# KiCad board xt_pcb.kicad_pcb
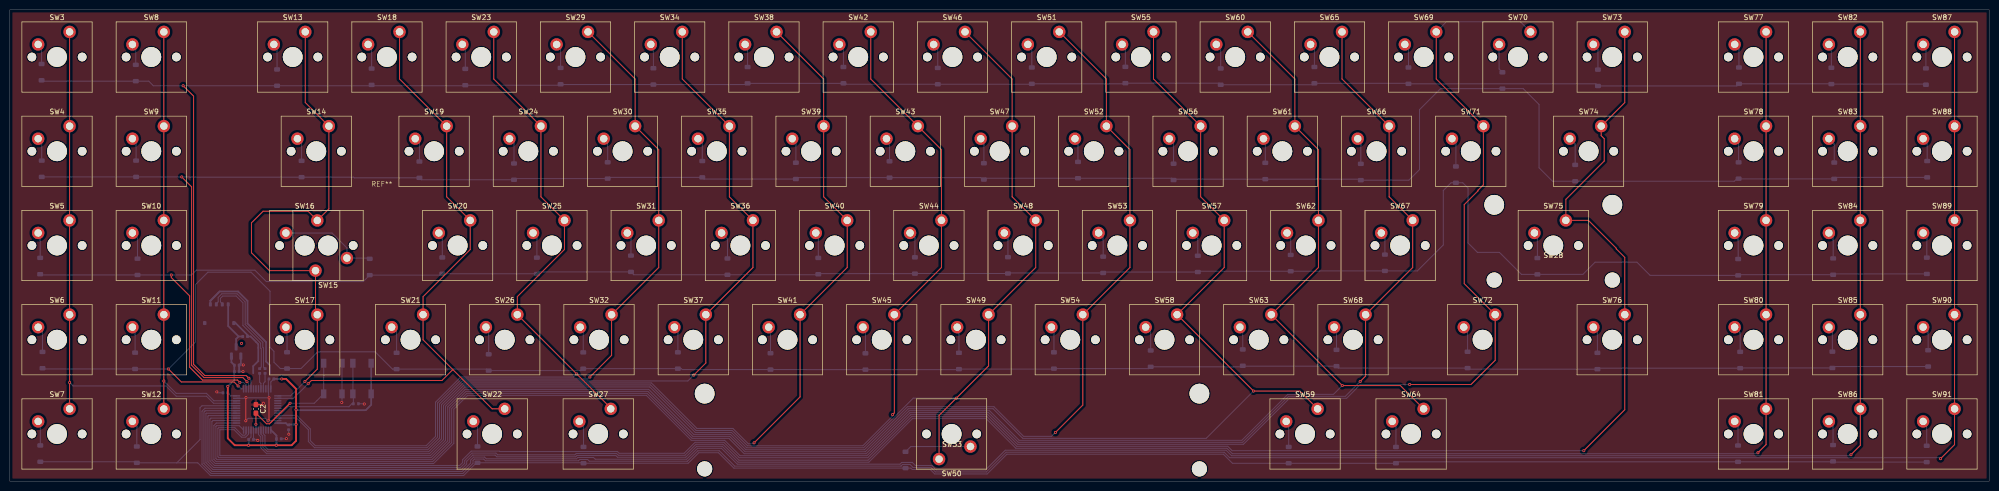
[diagram p0: board, top side]
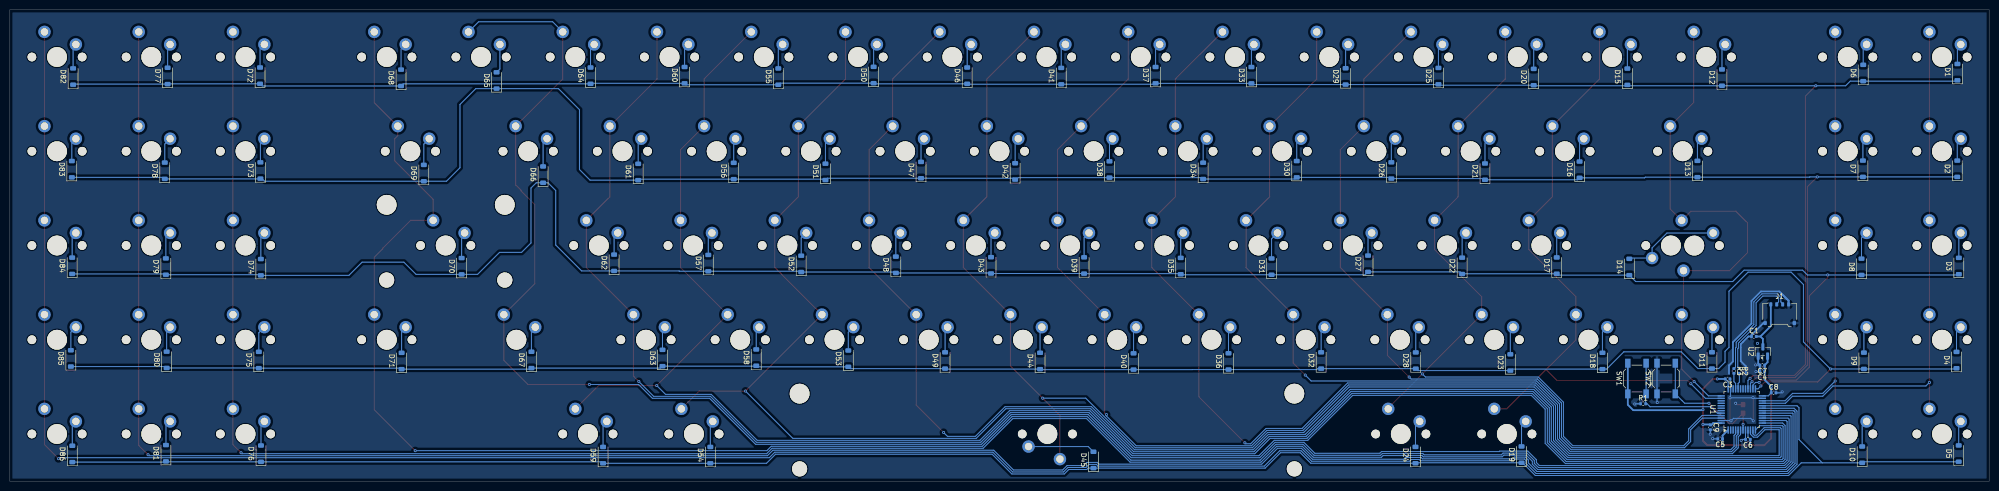
[diagram p1: board, bottom side, seen from below]

Outline 400.05 x 95.25 mm; copper layers: Top, Bottom. Coordinates in mm from the lower left corner of the outline.
Outline path: 0,95.25 400.05,95.25 400.05,0 0,0 0,95.25
Stack: Top 0.035mm / dielectric 1.51mm FR4 er 4.5 / Bottom 0.035mm

## Placement (name value [footprint] x y rotation side)
C1  1uF  [C_0402_1005Metric]  47.55 29.24 180 bottom
C2  100nF  [C_0603_1608Metric_Pad1.08x0.95mm_HandSolder]  49.73 14.6 270 top
C3  1uF  [C_0402_1005Metric]  52.86 20.65 0 bottom
C4  4.7uF  [C_0402_1005Metric]  45.85 22.14 0 bottom
C5  100nF  [C_0402_1005Metric]  54.36 8.55 0 bottom
C6  100nF  [C_0402_1005Metric]  48.75 8.44 0 bottom
C7  100nF  [C_0402_1005Metric]  45.85 23.44 0 bottom
C8  100nF  [C_0402_1005Metric]  43.56 17.85 180 bottom
C9  100nF  [C_0402_1005Metric]  56.34 10.87 270 bottom
D1  D  [D_SOD-123]  6.41 82.67 90 bottom
D2  D  [D_SOD-123]  6.44 63.14 90 bottom
D3  D  [D_SOD-123]  6.12 43.47 90 bottom
D4  D  [D_SOD-123]  6.59 24.47 90 bottom
D5  D  [D_SOD-123]  6.15 5.56 90 bottom
D6  D  [D_SOD-123]  25.45 82.5 90 bottom
D7  D  [D_SOD-123]  25.51 63.14 90 bottom
D8  D  [D_SOD-123]  25.8 43.31 90 bottom
D9  D  [D_SOD-123]  25.31 24.32 90 bottom
D10  D  [D_SOD-123]  25.66 5.35 90 bottom
D11  D  [D_SOD-123]  56.02 24.4 90 bottom
D12  D  [D_SOD-123]  54 81.57 90 bottom
D13  D  [D_SOD-123]  58.96 63.09 90 bottom
D14  D  [D_SOD-123]  72.73 43.28 90 bottom
D15  D  [D_SOD-123]  73.12 81.74 90 bottom
D16  D  [D_SOD-123]  82.78 62.95 90 bottom
D17  D  [D_SOD-123]  87.4 43.56 90 bottom
D18  D  [D_SOD-123]  78.16 24.28 90 bottom
D19  D  [D_SOD-123]  94.51 5.36 90 bottom
D20  D  [D_SOD-123]  92.05 81.68 90 bottom
D21  D  [D_SOD-123]  101.9 62.56 90 bottom
D22  D  [D_SOD-123]  106.52 43.52 90 bottom
D23  D  [D_SOD-123]  96.78 23.99 90 bottom
D24  D  [D_SOD-123]  115.95 5.27 90 bottom
D25  D  [D_SOD-123]  111.31 81.87 90 bottom
D26  D  [D_SOD-123]  120.83 62.8 90 bottom
D27  D  [D_SOD-123]  125.54 43.94 90 bottom
D28  D  [D_SOD-123]  115.89 24.37 90 bottom
D29  D  [D_SOD-123]  130.07 81.81 90 bottom
D30  D  [D_SOD-123]  139.95 63.05 90 bottom
D31  D  [D_SOD-123]  145.04 43.36 90 bottom
D32  D  [D_SOD-123]  135.02 24.39 90 bottom
D33  D  [D_SOD-123]  149.11 82.05 90 bottom
D34  D  [D_SOD-123]  158.87 62.71 90 bottom
D35  D  [D_SOD-123]  163.4 43.47 90 bottom
D36  D  [D_SOD-123]  153.74 24.19 90 bottom
D37  D  [D_SOD-123]  168.48 82.06 90 bottom
D38  D  [D_SOD-123]  177.8 63 90 bottom
D39  D  [D_SOD-123]  182.93 43.59 90 bottom
D40  D  [D_SOD-123]  172.93 24.19 90 bottom
D41  D  [D_SOD-123]  187.55 81.87 90 bottom
D42  D  [D_SOD-123]  196.87 62.61 90 bottom
D43  D  [D_SOD-123]  201.74 43.62 90 bottom
D44  D  [D_SOD-123]  191.83 24.28 90 bottom
D45  D  [D_SOD-123]  181.03 4.28 90 bottom
D46  D  [D_SOD-123]  206.56 81.96 90 bottom
D47  D  [D_SOD-123]  215.89 62.88 90 bottom
D48  D  [D_SOD-123]  220.98 43.72 90 bottom
D49  D  [D_SOD-123]  211.03 24.39 90 bottom
D50  D  [D_SOD-123]  225.47 82.09 90 bottom
D51  D  [D_SOD-123]  235.21 62.51 90 bottom
D52  D  [D_SOD-123]  240.11 43.91 90 bottom
D53  D  [D_SOD-123]  230.59 24.75 90 bottom
D54  D  [D_SOD-123]  258.48 5.25 90 bottom
D55  D  [D_SOD-123]  244.74 81.77 90 bottom
D56  D  [D_SOD-123]  253.75 62.69 90 bottom
D57  D  [D_SOD-123]  258.89 44.07 90 bottom
D58  D  [D_SOD-123]  249.2 24.97 90 bottom
D59  D  [D_SOD-123]  280.16 5.25 90 bottom
D60  D  [D_SOD-123]  263.68 82.06 90 bottom
D61  D  [D_SOD-123]  273.06 62.49 90 bottom
D62  D  [D_SOD-123]  277.93 44.14 90 bottom
D63  D  [D_SOD-123]  268.15 24.89 90 bottom
D64  D  [D_SOD-123]  282.69 81.96 90 bottom
D65  D  [D_SOD-123]  301.68 80.99 90 bottom
D66  D  [D_SOD-123]  292.28 61.96 90 bottom
D67  D  [D_SOD-123]  294.64 24.5 90 bottom
D68  D  [D_SOD-123]  320.99 81.53 90 bottom
D69  D  [D_SOD-123]  316.39 62.27 90 bottom
D70  D  [D_SOD-123]  308.75 43.44 90 bottom
D71  D  [D_SOD-123]  320.88 24.28 90 bottom
D72  D  [D_SOD-123]  349.49 81.96 90 bottom
D73  D  [D_SOD-123]  349.42 62.79 90 bottom
D74  D  [D_SOD-123]  349.33 43.24 90 bottom
D75  D  [D_SOD-123]  349.74 24.48 90 bottom
D76  D  [D_SOD-123]  349.3 5.55 90 bottom
D77  D  [D_SOD-123]  368.17 81.91 90 bottom
D78  D  [D_SOD-123]  368.75 62.74 90 bottom
D79  D  [D_SOD-123]  368.53 43.37 90 bottom
D80  D  [D_SOD-123]  368.37 24.52 90 bottom
D81  D  [D_SOD-123]  368.51 5.64 90 bottom
D82  D  [D_SOD-123]  387.28 81.78 90 bottom
D83  D  [D_SOD-123]  387.54 63.05 90 bottom
D84  D  [D_SOD-123]  387.47 43.53 90 bottom
D85  D  [D_SOD-123]  387.73 24.81 90 bottom
D86  D  [D_SOD-123]  387.44 5.5 90 bottom
J1  JST  [Molex_Pico-EZmate_78171-0004_1x04-1MP_P1.20mm_Vertical]  42.33 33.84 180 bottom
R1  10k  [R_0402_1005Metric]  69.94 15.64 180 bottom
R2  22Ω  [C_0402_1005Metric]  50.48 22.25 270 bottom
R3  22Ω  [C_0402_1005Metric]  51.58 22.27 270 bottom
REF**  -  [Untitled]  75.18 59.54 0 top
SW1  RST  [SW_SPST_SKQG_WithoutStem]  71.18 20.74 90 bottom
SW2  RST  [SW_SPST_SKQG_WithoutStem]  65.28 20.74 90 bottom
SW3  SW_Push  [SW_Cherry_MX_PCB_1.00u]  9.52 85.73 0 top
SW4  SW_Push  [SW_Cherry_MX_PCB_1.00u]  9.52 66.68 0 top
SW5  SW_Push  [SW_Cherry_MX_PCB_1.00u]  9.52 47.62 0 top
SW6  SW_Push  [SW_Cherry_MX_PCB_1.00u]  9.52 28.58 0 top
SW7  SW_Push  [SW_Cherry_MX_PCB_1.00u]  9.52 9.53 0 top
SW8  SW_Push  [SW_Cherry_MX_PCB_1.00u]  28.58 85.73 0 top
SW9  SW_Push  [SW_Cherry_MX_PCB_1.00u]  28.58 66.68 0 top
SW10  SW_Push  [SW_Cherry_MX_PCB_1.00u]  28.58 47.62 0 top
SW11  SW_Push  [SW_Cherry_MX_PCB_1.00u]  28.58 28.58 0 top
SW12  SW_Push  [SW_Cherry_MX_PCB_1.00u]  28.58 9.53 0 top
SW13  SW_Push  [SW_Cherry_MX_PCB_1.00u]  57.16 85.73 0 top
SW14  SW_Push  [SW_Cherry_MX_PCB_1.50u]  61.93 66.68 0 top
SW15  SW_Push  [SW_Cherry_MX_PCB_1.75u]  64.31 47.62 180 top
SW16  SW_Push  [SW_Cherry_MX_PCB_1.25u]  59.59 47.61 0 top
SW17  SW_Push  [SW_Cherry_MX_PCB_1.25u]  59.59 28.56 0 top
SW18  SW_Push  [SW_Cherry_MX_PCB_1.00u]  76.22 85.73 0 top
SW19  SW_Push  [SW_Cherry_MX_PCB_1.00u]  85.74 66.68 0 top
SW20  SW_Push  [SW_Cherry_MX_PCB_1.00u]  90.5 47.62 0 top
SW21  SW_Push  [SW_Cherry_MX_PCB_1.00u]  80.98 28.58 0 top
SW22  SW_Push  [SW_Cherry_MX_PCB_1.00u]  97.48 9.53 0 top
SW23  SW_Push  [SW_Cherry_MX_PCB_1.00u]  95.26 85.73 0 top
SW24  SW_Push  [SW_Cherry_MX_PCB_1.00u]  104.79 66.68 0 top
SW25  SW_Push  [SW_Cherry_MX_PCB_1.00u]  109.55 47.62 0 top
SW26  SW_Push  [SW_Cherry_MX_PCB_1.00u]  100.03 28.58 0 top
SW27  SW_Push  [SW_Cherry_MX_PCB_1.25u]  118.91 9.53 0 top
SW28  SW_Push  [Stabilizer_Cherry_MX_2.00u]  311.96 47.62 180 top
SW29  SW_Push  [SW_Cherry_MX_PCB_1.00u]  114.31 85.73 0 top
SW30  SW_Push  [SW_Cherry_MX_PCB_1.00u]  123.84 66.68 0 top
SW31  SW_Push  [SW_Cherry_MX_PCB_1.00u]  128.6 47.62 0 top
SW32  SW_Push  [SW_Cherry_MX_PCB_1.00u]  119.08 28.58 0 top
SW33  SW_Push  [Stabilizer_Cherry_MX_6.25u]  190.43 9.46 180 top
SW34  SW_Push  [SW_Cherry_MX_PCB_1.00u]  133.37 85.73 0 top
SW35  SW_Push  [SW_Cherry_MX_PCB_1.00u]  142.89 66.68 0 top
SW36  SW_Push  [SW_Cherry_MX_PCB_1.00u]  147.65 47.62 0 top
SW37  SW_Push  [SW_Cherry_MX_PCB_1.00u]  138.13 28.58 0 top
SW38  SW_Push  [SW_Cherry_MX_PCB_1.00u]  152.41 85.73 0 top
SW39  SW_Push  [SW_Cherry_MX_PCB_1.00u]  161.94 66.68 0 top
SW40  SW_Push  [SW_Cherry_MX_PCB_1.00u]  166.7 47.62 0 top
SW41  SW_Push  [SW_Cherry_MX_PCB_1.00u]  157.18 28.58 0 top
SW42  SW_Push  [SW_Cherry_MX_PCB_1.00u]  171.47 85.73 0 top
SW43  SW_Push  [SW_Cherry_MX_PCB_1.00u]  180.99 66.68 0 top
SW44  SW_Push  [SW_Cherry_MX_PCB_1.00u]  185.75 47.62 0 top
SW45  SW_Push  [SW_Cherry_MX_PCB_1.00u]  176.23 28.58 0 top
SW46  SW_Push  [SW_Cherry_MX_PCB_1.00u]  190.51 85.73 0 top
SW47  SW_Push  [SW_Cherry_MX_PCB_1.00u]  200.04 66.68 0 top
SW48  SW_Push  [SW_Cherry_MX_PCB_1.00u]  204.8 47.62 0 top
SW49  SW_Push  [SW_Cherry_MX_PCB_1.00u]  195.28 28.58 0 top
SW50  SW_Push  [SW_Cherry_MX_PCB_6.25u]  190.35 9.53 180 top
SW51  SW_Push  [SW_Cherry_MX_PCB_1.00u]  209.56 85.73 0 top
SW52  SW_Push  [SW_Cherry_MX_PCB_1.00u]  219.09 66.68 0 top
SW53  SW_Push  [SW_Cherry_MX_PCB_1.00u]  223.85 47.62 0 top
SW54  SW_Push  [SW_Cherry_MX_PCB_1.00u]  214.33 28.58 0 top
SW55  SW_Push  [SW_Cherry_MX_PCB_1.00u]  228.62 85.73 0 top
SW56  SW_Push  [SW_Cherry_MX_PCB_1.00u]  238.14 66.68 0 top
SW57  SW_Push  [SW_Cherry_MX_PCB_1.00u]  242.9 47.62 0 top
SW58  SW_Push  [SW_Cherry_MX_PCB_1.00u]  233.38 28.58 0 top
SW59  SW_Push  [SW_Cherry_MX_PCB_1.25u]  261.79 9.53 0 top
SW60  SW_Push  [SW_Cherry_MX_PCB_1.00u]  247.67 85.73 0 top
SW61  SW_Push  [SW_Cherry_MX_PCB_1.00u]  257.19 66.68 0 top
SW62  SW_Push  [SW_Cherry_MX_PCB_1.00u]  261.95 47.62 0 top
SW63  SW_Push  [SW_Cherry_MX_PCB_1.00u]  252.43 28.58 0 top
SW64  SW_Push  [SW_Cherry_MX_PCB_1.00u]  283.22 9.53 0 top
SW65  SW_Push  [SW_Cherry_MX_PCB_1.00u]  266.71 85.73 0 top
SW66  SW_Push  [SW_Cherry_MX_PCB_1.00u]  276.24 66.68 0 top
SW67  SW_Push  [SW_Cherry_MX_PCB_1.00u]  281 47.62 0 top
SW68  SW_Push  [SW_Cherry_MX_PCB_1.00u]  271.48 28.58 0 top
SW69  SW_Push  [SW_Cherry_MX_PCB_1.00u]  285.76 85.73 0 top
SW70  SW_Push  [SW_Cherry_MX_PCB_1.00u]  304.81 85.73 0 top
SW71  SW_Push  [SW_Cherry_MX_PCB_1.00u]  295.29 66.68 0 top
SW72  SW_Push  [SW_Cherry_MX_Plate_1.75u]  297.67 28.58 0 top
SW73  SW_Push  [SW_Cherry_MX_PCB_1.00u]  323.87 85.73 0 top
SW74  SW_Push  [SW_Cherry_MX_PCB_1.50u]  319.1 66.68 0 top
SW75  SW_Push  [SW_Cherry_MX_PCB_2.25u]  311.96 47.62 0 top
SW76  SW_Push  [SW_Cherry_MX_PCB_1.00u]  323.87 28.58 0 top
SW77  SW_Push  [SW_Cherry_MX_PCB_1.00u]  352.43 85.73 0 top
SW78  SW_Push  [SW_Cherry_MX_PCB_1.00u]  352.43 66.68 0 top
SW79  SW_Push  [SW_Cherry_MX_PCB_1.00u]  352.43 47.62 0 top
SW80  SW_Push  [SW_Cherry_MX_PCB_1.00u]  352.43 28.58 0 top
SW81  SW_Push  [SW_Cherry_MX_PCB_1.00u]  352.43 9.53 0 top
SW82  SW_Push  [SW_Cherry_MX_PCB_1.00u]  371.48 85.73 0 top
SW83  SW_Push  [SW_Cherry_MX_PCB_1.00u]  371.48 66.68 0 top
SW84  SW_Push  [SW_Cherry_MX_PCB_1.00u]  371.48 47.62 0 top
SW85  SW_Push  [SW_Cherry_MX_PCB_1.00u]  371.48 28.58 0 top
SW86  SW_Push  [SW_Cherry_MX_PCB_1.00u]  371.48 9.53 0 top
SW87  SW_Push  [SW_Cherry_MX_PCB_1.00u]  390.52 85.73 0 top
SW88  SW_Push  [SW_Cherry_MX_PCB_1.00u]  390.52 66.68 0 top
SW89  SW_Push  [SW_Cherry_MX_PCB_1.00u]  390.52 47.62 0 top
SW90  SW_Push  [SW_Cherry_MX_PCB_1.00u]  390.52 28.58 0 top
SW91  SW_Push  [SW_Cherry_MX_PCB_1.00u]  390.52 9.53 0 top
U1  STM32F072C8Tx  [LQFP-48_7x7mm_P0.5mm]  49.99 14.49 90 bottom
U2  XC6206PxxxMR-Regulator_Linear  [SOT-23]  45.73 26.2 90 bottom

## Library data of the parts
C1 C3 = -: LCSC: C52923; ki_fp_filters: C_*
C2 C5-C9 = -: LCSC: C307331; ki_fp_filters: C_*
C4 = -: LCSC: C23733; ki_fp_filters: C_*
D1-D86 = -: Description: Diode; Sim.Pins: 1=K 2=A; ki_fp_filters: TO-???* *_Diode_* *SingleDiode* D_*
J1 = -: LCSC: C588524; ki_fp_filters: Connector*:*_1x??-1MP*
R1 = -: LCSC: C25744; ki_fp_filters: R_*
R2 R3 = -: Description: Resistor; LCSC: C25092; ki_fp_filters: R_*
SW1 SW2 = -: LCSC: C139779
SW3-SW91 = -: Description: Push button switch, generic, two pins
U1 = -: Datasheet: http://www.st.com/st-web-ui/static/active/en/resource/technical/document/datasheet/DM00090510.pdf; LCSC: C80488; ki_fp_filters: LQFP*7x7mm*P0.5mm*
U2 = -: Datasheet: https://www.torexsemi.com/file/xc6206/XC6206.pdf; LCSC: C5446; ki_fp_filters: SOT?23*

## Footprints (pads in the part's own frame, mm; a bottom-side part is the same pattern mirrored in y, then rotated)
C_0402_1005Metric
  rrect 0.56x0.62 smd: 1(-0.48,0) 2(0.48,0)
C_0603_1608Metric_Pad1.08x0.95mm_HandSolder
  rrect 1.075x0.95 smd: 1(-0.863,0) 2(0.863,0)
D_SOD-123
  rrect 0.9x1.2 smd: 1(-1.65,0) 2(1.65,0)
LQFP-48_7x7mm_P0.5mm
  rrect 1.475x0.3 smd: 1(-4.162,2.75) 2(-4.162,2.25) 3(-4.162,1.75) 4(-4.162,1.25) 5(-4.162,0.75) 6(-4.162,0.25) 7(-4.162,-0.25) 8(-4.162,-0.75) 9(-4.162,-1.25) 10(-4.162,-1.75) 11(-4.162,-2.25) 12(-4.162,-2.75) 25(4.162,-2.75) 26(4.162,-2.25) 27(4.162,-1.75) 28(4.162,-1.25) 29(4.162,-0.75) 30(4.162,-0.25) 31(4.162,0.25) 32(4.162,0.75) 33(4.162,1.25) 34(4.162,1.75) 35(4.162,2.25) 36(4.162,2.75)
  rrect 0.3x1.475 smd: 13(-2.75,-4.162) 14(-2.25,-4.162) 15(-1.75,-4.162) 16(-1.25,-4.162) 17(-0.75,-4.162) 18(-0.25,-4.162) 19(0.25,-4.162) 20(0.75,-4.162) 21(1.25,-4.162) 22(1.75,-4.162) 23(2.25,-4.162) 24(2.75,-4.162) 37(2.75,4.162) 38(2.25,4.162) 39(1.75,4.162) 40(1.25,4.162) 41(0.75,4.162) 42(0.25,4.162) 43(-0.25,4.162) 44(-0.75,4.162) 45(-1.25,4.162) 46(-1.75,4.162) 47(-2.25,4.162) 48(-2.75,4.162)
Molex_Pico-EZmate_78171-0004_1x04-1MP_P1.20mm_Vertical
  rrect 0.6x0.85 smd: 1(-1.8,1.875) 2(-0.6,1.875) 3(0.6,1.875) 4(1.8,1.875)
  rrect 0.7x0.8 smd: MP(-2.95,-1.9) MP(2.95,-1.9)
R_0402_1005Metric
  rrect 0.54x0.64 smd: 1(-0.51,0) 2(0.51,0)
SOT-23
  rrect 1.475x0.6 smd: 1(-0.938,0.95) 2(-0.938,-0.95) 3(0.938,0)
Stabilizer_Cherry_MX_2.00u
  round 3.048 hole 3.048 unplated: (-11.938,6.985) (11.938,6.985)
  round 3.988 hole 3.988 unplated: (-11.938,-8.225) (11.938,-8.225)
Stabilizer_Cherry_MX_6.25u
  round 3.048 hole 3.048 unplated: (-50,6.985) (50,6.985)
  round 3.988 hole 3.988 unplated: (-50,-8.225) (50,-8.225)
SW_Cherry_MX_PCB_1.00u
  round 1.75 hole 1.75 unplated: (-5.08,0) (5.08,0)
  round 4 hole 4 unplated: (0,0)
  round 2.5 hole 1.5: 1(-3.81,2.54) 2(2.54,5.08)
SW_Cherry_MX_PCB_1.25u
  round 1.75 hole 1.75 unplated: (-5.08,0) (5.08,0)
  round 4 hole 4 unplated: (0,0)
  round 2.5 hole 1.5: 1(-3.81,2.54) 2(2.54,5.08)
SW_Cherry_MX_PCB_1.50u
  round 1.75 hole 1.75 unplated: (-5.08,0) (5.08,0)
  round 4 hole 4 unplated: (0,0)
  round 2.5 hole 1.5: 1(-3.81,2.54) 2(2.54,5.08)
SW_Cherry_MX_PCB_1.75u
  round 1.75 hole 1.75 unplated: (-5.08,0) (5.08,0)
  round 4 hole 4 unplated: (0,0)
  round 2.5 hole 1.5: 1(-3.81,2.54) 2(2.54,5.08)
SW_Cherry_MX_PCB_2.25u
  round 1.75 hole 1.75 unplated: (-5.08,0) (5.08,0)
  round 4 hole 4 unplated: (0,0)
  round 2.5 hole 1.5: 1(-3.81,2.54) 2(2.54,5.08)
SW_Cherry_MX_PCB_6.25u
  round 1.75 hole 1.75 unplated: (-5.08,0) (5.08,0)
  round 4 hole 4 unplated: (0,0)
  round 2.5 hole 1.5: 1(-3.81,2.54) 2(2.54,5.08)
SW_Cherry_MX_Plate_1.75u
  round 4 hole 4 unplated: (0,0)
  round 2.5 hole 1.5: 1(-3.81,2.54) 2(2.54,5.08)
SW_SPST_SKQG_WithoutStem
  rect 1.8x1.1 smd: 1(-3.1,1.85) 1(3.1,1.85) 2(-3.1,-1.85) 2(3.1,-1.85)

## Nets
+3V3: C3.2 C4.1 C5.1 C6.1 C7.1 C8.1 C9.1 SW1.1 U1.1 U1.9 U1.24 U1.36 U1.48 U2.2
+5V: C1.2 J1.1 U2.3
GND: C1.1 C2.1 C3.1 C4.2 C5.2 C6.2 C7.2 C8.2 C9.2 J1.4 J1.MP R1.1 SW2.1 U1.8 U1.23 U1.35 U1.47 U2.1
BOOT0: R1.2 SW1.2 U1.44
C1: SW3.2 SW4.2 SW5.2 SW6.2 SW7.2 U1.21
C2: SW8.2 SW9.2 SW10.2 SW11.2 SW12.2 U1.22
C3: SW13.2 SW14.2 SW15.2 SW16.2 SW17.2 U1.37
C4: SW18.2 SW19.2 SW20.2 SW21.2 SW22.2 U1.38
C5: SW23.2 SW24.2 SW25.2 SW26.2 SW27.2 U1.45
C6: SW29.2 SW30.2 SW31.2 SW32.2 U1.46
C7: SW34.2 SW35.2 SW36.2 SW37.2 U1.4
C8: SW38.2 SW39.2 SW40.2 SW41.2 U1.5
C9: SW42.2 SW43.2 SW44.2 SW45.2 U1.6
C10: SW46.2 SW47.2 SW48.2 SW49.2 SW50.2 U1.10
C11: SW51.2 SW52.2 SW53.2 SW54.2 U1.11
C12: SW55.2 SW56.2 SW57.2 SW58.2 SW59.2 U1.12
C13: SW60.2 SW61.2 SW62.2 SW63.2 SW64.2 U1.13
C14: SW65.2 SW66.2 SW67.2 SW68.2 U1.14
C15: SW69.2 SW70.2 SW71.2 SW72.2 U1.15
C16: SW73.2 SW74.2 SW75.2 SW76.2 U1.16
C17: SW77.2 SW78.2 SW79.2 SW80.2 SW81.2 U1.17
C18: SW82.2 SW83.2 SW84.2 SW85.2 SW86.2 U1.18
C19: SW87.2 SW88.2 SW89.2 SW90.2 SW91.2 U1.19
D_N: R2.2 U1.32
D_P: R3.2 U1.33
NRST: C2.2 SW2.2 U1.7
R1: D1.1 D6.1 D12.1 D15.1 D20.1 D25.1 D29.1 D33.1 D37.1 D41.1 D46.1 D50.1 D55.1 D60.1 D64.1 D68.1 D72.1 D77.1 D82.1 U1.28
R2: D2.1 D7.1 D13.1 D16.1 D21.1 D26.1 D30.1 D34.1 D38.1 D42.1 D47.1 D51.1 D56.1 D61.1 D65.1 D69.1 D73.1 D78.1 D83.1 U1.27
R3: D3.1 D8.1 D14.1 D17.1 D22.1 D27.1 D31.1 D35.1 D39.1 D43.1 D48.1 D52.1 D57.1 D62.1 D66.1 D70.1 D74.1 D79.1 D84.1 U1.26
R4: D4.1 D9.1 D11.1 D18.1 D23.1 D28.1 D32.1 D36.1 D40.1 D44.1 D49.1 D53.1 D58.1 D63.1 D67.1 D71.1 D75.1 D80.1 D85.1 U1.25
R5: D5.1 D10.1 D19.1 D24.1 D45.1 D54.1 D59.1 D76.1 D81.1 D86.1 U1.20
SWDCLK: U1.31
SWDIO: U1.34
Net-(D1-A): D1.2 SW3.1
Net-(D2-A): D2.2 SW4.1
Net-(D3-A): D3.2 SW5.1
Net-(D4-A): D4.2 SW6.1
Net-(D5-A): D5.2 SW7.1
Net-(D6-A): D6.2 SW8.1
Net-(D7-A): D7.2 SW9.1
Net-(D8-A): D8.2 SW10.1
Net-(D9-A): D9.2 SW11.1
Net-(D10-A): D10.2 SW12.1
Net-(D11-A): D11.2 SW17.1
Net-(D12-A): D12.2 SW13.1
Net-(D13-A): D13.2 SW14.1
Net-(D14-A): D14.2 SW15.1 SW16.1
Net-(D15-A): D15.2 SW18.1
Net-(D16-A): D16.2 SW19.1
Net-(D17-A): D17.2 SW20.1
Net-(D18-A): D18.2 SW21.1
Net-(D19-A): D19.2 SW22.1
Net-(D20-A): D20.2 SW23.1
Net-(D21-A): D21.2 SW24.1
Net-(D22-A): D22.2 SW25.1
Net-(D23-A): D23.2 SW26.1
Net-(D24-A): D24.2 SW27.1
Net-(D25-A): D25.2 SW29.1
Net-(D26-A): D26.2 SW30.1
Net-(D27-A): D27.2 SW31.1
Net-(D28-A): D28.2 SW32.1
Net-(D29-A): D29.2 SW34.1
Net-(D30-A): D30.2 SW35.1
Net-(D31-A): D31.2 SW36.1
Net-(D32-A): D32.2 SW37.1
Net-(D33-A): D33.2 SW38.1
Net-(D34-A): D34.2 SW39.1
Net-(D35-A): D35.2 SW40.1
Net-(D36-A): D36.2 SW41.1
Net-(D37-A): D37.2 SW42.1
Net-(D38-A): D38.2 SW43.1
Net-(D39-A): D39.2 SW44.1
Net-(D40-A): D40.2 SW45.1
Net-(D41-A): D41.2 SW46.1
Net-(D42-A): D42.2 SW47.1
Net-(D43-A): D43.2 SW48.1
Net-(D44-A): D44.2 SW49.1
Net-(D45-A): D45.2 SW50.1
Net-(D46-A): D46.2 SW51.1
Net-(D47-A): D47.2 SW52.1
Net-(D48-A): D48.2 SW53.1
Net-(D49-A): D49.2 SW54.1
Net-(D50-A): D50.2 SW55.1
Net-(D51-A): D51.2 SW56.1
Net-(D52-A): D52.2 SW57.1
Net-(D53-A): D53.2 SW58.1
Net-(D54-A): D54.2 SW59.1
Net-(D55-A): D55.2 SW60.1
Net-(D56-A): D56.2 SW61.1
Net-(D57-A): D57.2 SW62.1
Net-(D58-A): D58.2 SW63.1
Net-(D59-A): D59.2 SW64.1
Net-(D60-A): D60.2 SW65.1
Net-(D61-A): D61.2 SW66.1
Net-(D62-A): D62.2 SW67.1
Net-(D63-A): D63.2 SW68.1
Net-(D64-A): D64.2 SW69.1
Net-(D65-A): D65.2 SW70.1
Net-(D66-A): D66.2 SW71.1
Net-(D67-A): D67.2 SW72.1
Net-(D68-A): D68.2 SW73.1
Net-(D69-A): D69.2 SW74.1
Net-(D70-A): D70.2 SW75.1
Net-(D71-A): D71.2 SW76.1
Net-(D72-A): D72.2 SW77.1
Net-(D73-A): D73.2 SW78.1
Net-(D74-A): D74.2 SW79.1
Net-(D75-A): D75.2 SW80.1
Net-(D76-A): D76.2 SW81.1
Net-(D77-A): D77.2 SW82.1
Net-(D78-A): D78.2 SW83.1
Net-(D79-A): D79.2 SW84.1
Net-(D80-A): D80.2 SW85.1
Net-(D81-A): D81.2 SW86.1
Net-(D82-A): D82.2 SW87.1
Net-(D83-A): D83.2 SW88.1
Net-(D84-A): D84.2 SW89.1
Net-(D85-A): D85.2 SW90.1
Net-(D86-A): D86.2 SW91.1
Net-(J1-Pin_2): J1.2 R2.1
Net-(J1-Pin_3): J1.3 R3.1

Pads without a net: U1 2 3 29 30 39 40 41 42 43

## Via types
v1: diameter 0.6, hole 0.3, Top to Bottom, 49 vias

## Routing (per net, layer and track width the routed paths; a pad name or vN(x,y) marks a point on that pad's centre or on a via; arc(x,y) is an arc through that point)
+3V3: length 88.4
  Top w0.35: v1(44.04,19.15) 44.04,8.65 45.44,7.25 v1(48.23,7.25) v1(53.84,7.25) 56.94,7.25 57.84,8.15 v1(57.84,11.45) v1(57.84,14.44) 57.84,18.65 55.84,20.65 v1(54.94,20.65)
  Bottom w0.2: C6.1 48.74,8.91 U1.9 ; C3.2 52.74,20.05 U1.36 ; U1.24 44.65,17.24 C8.1
  Bottom w0.35: v1(57.84,11.45) 56.44,11.45 C9.1 56.14,11.35 55.78,11.71 54.15,11.71 ; C3.2 v1(54.94,20.65) ; 52.77,10.32 53.88,9.21 C5.1 53.88,7.29 v1(53.84,7.25) ; C8.1 44.04,19.15 v1(44.04,19.15) 45.37,20.47 C4.1 C7.1 44.78,24.03 U2.2 ; SW1.1 SW1.1 73.03,15.44 71.93,14.34 57.94,14.34 v1(57.84,14.44) ; C6.1 48.27,7.29 v1(48.23,7.25)
+5V: length 10.5
  Bottom w0.35: 46.23,29.24 C1.2 ; 46.23,29.24 44.13,31.34 J1.1 ; 46.23,29.24 45.73,28.74 U2.3
GND: length 90.8
  Top w0.2: C2.1 50.95,15.46 v1(51.23,15.74) ; v1(47.73,16.89) 47.68,16.84 v1(47.68,12.19) ; v1(52.18,12.19) 52.38,12.39 v1(52.38,16.84) 52.33,16.89
  Bottom w0.2: C8.2 42.01,17.85 v1(41.83,18.03) ; U1.47 52.23,12.24 v1(52.18,12.19) 51.68,12.69 48.18,12.69 v1(47.68,12.19) ; 52.29,18.69 52.29,16.92 v1(52.38,16.84) 47.78,16.84 v1(47.73,16.89) 47.58,16.74 U1.23 ; R1.1 71.58,15.64 v1(71.63,15.59) ; U1.35 52.24,20.51 C3.1 ; U1.8 49.24,8.45 C6.2 49.91,8.44 v1(50.11,8.24) ; C9.2 56.34,9.52 v1(56.38,9.49) ; C5.2 55.84,8.55 v1(55.88,8.59) ; C7.2 47.13,23.44 v1(47.18,23.49) ; v1(67.08,15.89) 67.13,15.94 SW2.1 SW2.1 ; C4.2 v1(47.13,22.14)
  Bottom w0.35: C4.2 C7.2 46.68,23.78 U2.1 ; 50.2,24.26 49.18,23.24 49.18,21.78 ; 50.2,24.26 50.18,24.24 ; 50.2,24.26 50.2,27.69 48.65,29.24 C1.1 48.03,29.53 45.58,31.99 45.43,31.99 ; 40.53,36.46 42.16,38.1 ; 40.53,36.46 42.16,38.1 ; 40.53,36.46 40.53,35.74 ; 42.16,38.1 42.4,38.34 46.12,38.34 48.03,36.43 48.03,31.84 51.78,28.09 51.78,24.19 52.58,23.39 ; 52.58,23.39 52.58,21.69 ; 52.58,23.39 52.58,23.34
(no net):
  vias: v1(46.83,27.84)
BOOT0: length 24.3
  Bottom w0.2: U1.44 54.92,13.74 56.22,15.04 68.53,15.04 68.53,15.03 69.13,15.64 R1.2 69.43,17.53 SW1.2 SW1.2
C1: length 111.7
  Top w0.2: SW7.2 v1(12.06,19.94) SW3.2
  Bottom w0.2: v1(12.06,19.94) 12.77,19.24 31.55,19.24 33.63,17.15 39.74,17.15 41.16,15.74 U1.21
C2: length 92.6
  Top w0.2: SW12.2 v1(31.11,20.24) SW8.2
  Bottom w0.2: v1(31.11,20.24) 33.61,17.74 39.73,17.74 41.23,16.24 U1.22
C3: length 106.3
  Top w0.2: SW13.2 59.7,76.52 SW14.2 64.47,55.02 SW16.2 60.27,54.56 51.18,54.56 48.83,52.21 48.83,46.17 52.45,42.55 SW15.2 61.77,34.01 ; SW17.2 62.13,22.64 v1(59.63,20.14)
  Bottom w0.2: v1(59.63,20.14) 56.73,17.24 U1.37
C4: length 132.2
  Top w0.2: 89.53,22.54 97.47,14.61 SW22.2 ; 89.53,22.54 87.33,20.34 60.94,20.34 v1(60.29,19.69) ; 89.53,22.54 83.52,28.56 SW21.2 83.52,37.29 93.04,46.82 SW20.2 88.28,57.47 SW19.2 78.75,81.28 SW18.2
  Bottom w0.2: v1(60.29,19.69) 57.34,16.74 U1.38
C5: length 168.1
  Top w0.2: 121.45,14.77 v1(114.56,21.67) SW26.2 102.57,37.29 112.09,46.82 SW25.2 107.33,57.47 SW24.2 97.81,81.28 SW23.2
  Bottom w0.2: U1.45 54.2,13.28 57.99,13.28 60.73,10.54 60.73,8.17 61.75,7.15 84.14,7.15 86.04,9.05 86.04,15.95 91.13,21.04 113.93,21.04 v1(114.56,21.67)
C6: length 158.4
  Top w0.2: v1(117.23,21.03) 121.62,25.43 SW32.2 131.14,43.18 SW31.2 131.14,66.99 SW30.2 126.38,81.28 SW29.2
  Bottom w0.2: U1.46 57.97,12.74 60.33,10.38 60.33,8 61.58,6.75 84.3,6.75 86.44,8.88 86.44,15.78 91.29,20.64 116.83,20.64 v1(117.23,21.03)
C7: length 180.9
  Top w0.2: SW34.2 135.91,81.28 SW35.2 145.43,57.47 SW36.2 150.19,43.18 SW37.2 140.67,23.88 v1(138.23,21.44)
  Bottom w0.2: v1(138.23,21.44) 137.03,20.24 91.46,20.24 86.84,15.62 86.84,8.72 84.47,6.35 52.23,6.35 51.56,7.02 51.56,9.24 51.24,9.55 U1.4
C8: length 215
  Top w0.2: SW38.2 164.48,81.28 SW39.2 164.48,57.47 SW40.2 169.24,43.18 SW41.2 159.72,17.03 v1(150.43,7.74)
  Bottom w0.2: U1.5 50.74,9.48 51.11,9.12 51.11,6.9 52.06,5.95 84.64,5.95 87.24,8.55 87.24,15.45 91.63,19.84 129.67,19.84 138.86,10.65 146.15,10.65 149.26,7.54 150.23,7.54 v1(150.43,7.74)
C9: length 237
  Top w0.2: SW42.2 174,81.28 SW43.2 188.29,66.99 SW44.2 188.29,43.18 SW45.2 178.77,13.79 v1(178.42,13.44)
  Bottom w0.2: U1.6 50.24,9.42 50.71,8.95 50.71,6.73 51.89,5.55 84.8,5.55 87.64,8.39 87.64,15.29 91.79,19.44 129.5,19.44 138.69,10.24 145.99,10.24 149.09,7.14 172.4,7.14 178.42,13.16 v1(178.42,13.44)
C10: length 281
  Top w0.2: SW50.2 187.81,13.28 v1(191.3,16.77) 197.82,23.29 SW49.2 207.34,43.18 SW48.2 202.58,57.47 SW47.2 202.58,81.28 SW46.2
  Bottom w0.2: U1.10 48.24,9.48 47.64,8.88 46.81,8.88 45.3,10.4 42.49,10.4 42.44,10.34 42.44,5.22 42.52,5.15 84.97,5.15 88.04,8.22 88.04,15.12 91.96,19.03 129.33,19.03 138.53,9.84 145.82,9.84 148.92,6.74 172.56,6.74 182.59,16.77 v1(191.3,16.77)
C11: length 296.7
  Top w0.2: SW51.2 221.63,81.28 SW52.2 226.39,66.99 SW53.2 226.39,43.18 SW54.2 216.87,15.38 v1(211.33,9.84)
  Bottom w0.2: U1.11 47.74,9.55 47.47,9.28 46.98,9.28 45.46,10.8 42.19,10.8 42.04,10.64 42.04,4.93 42.22,4.74 85.13,4.74 88.49,8.1 88.49,15 92.03,18.54 129.12,18.54 138.22,9.44 145.66,9.44 148.76,6.34 172.73,6.34 181.43,15.04 198.89,15.04 204.89,9.04 210.53,9.04 v1(211.33,9.84)
C12: length 350.5
  Top w0.2: SW55.2 231.15,81.28 SW56.2 240.68,57.47 SW57.2 245.44,43.18 SW58.2 v1(251.37,18.21) 260.73,18.21 SW59.2
  Bottom w0.2: U1.12 46.36,11.2 41.76,11.2 41.63,11.07 41.63,4.56 41.86,4.34 85.3,4.34 88.89,7.93 88.89,14.83 92.19,18.14 128.96,18.14 138.05,9.04 145.49,9.04 148.59,5.94 172.89,5.94 181.6,14.64 198.73,14.64 204.73,8.64 241.8,8.64 v1(251.37,18.21)
C13: length 371.1
  Top w0.2: SW60.2 259.73,81.28 SW61.2 264.49,66.99 SW62.2 264.49,43.18 SW63.2 v1(269.31,19.31) 281.05,19.31 SW64.2
  Bottom w0.2: U1.13 41.73,11.74 41.23,11.24 41.23,4.4 41.69,3.94 85.47,3.94 89.29,7.77 89.29,14.67 92.36,17.74 128.79,17.74 137.89,8.64 145.32,8.64 148.43,5.54 173.06,5.54 181.76,14.24 197.99,14.24 203.99,8.24 249,8.24 258.29,17.54 267.53,17.54 v1(269.31,19.31)
C14: length 352.2
  Top w0.2: SW65.2 269.25,81.28 SW66.2 278.78,57.47 SW67.2 283.54,43.18 SW68.2 274.02,21.23 v1(272.93,20.14)
  Bottom w0.2: U1.14 41.03,12.24 40.83,12.03 40.83,4.23 41.52,3.54 85.63,3.54 89.73,7.64 89.73,14.53 92.53,17.34 128.63,17.34 137.72,8.24 144.48,8.24 147.59,5.14 173.23,5.14 181.93,13.84 197.82,13.84 203.82,7.84 249.16,7.84 258.46,17.14 269.93,17.14 v1(272.93,20.14)
C15: length 386.4
  Top w0.2: SW69.2 288.31,81.28 297.83,71.76 297.83,59.89 296.74,58.8 296.74,58.67 293.96,55.89 293.96,39.91 SW72.2 300.21,24.42 295.33,19.53 282.83,19.53
  Bottom w0.2: 282.83,19.53 272.98,19.53 270.18,16.74 258.63,16.74 249.33,7.44 203.66,7.44 197.66,13.44 182.09,13.44 173.39,4.74 147.42,4.74 144.32,7.84 138.49,7.84 136.28,5.62 123.16,5.62 122.81,5.97 99.02,5.97 98.93,6.06 93.24,6.06 91.51,4.33 91.51,3.75 90.9,3.14 41.36,3.14 40.43,4.07 40.43,12.53 40.63,12.74 U1.15 ; SW69.2 290.36,92.86 305.31,92.86 SW70.2
  vias: v1(282.93,19.53)
C16: length 405.5
  Top w0.2: v1(318.13,6.15) 326.4,14.43 SW76.2 326.4,45.23 324.69,46.94 324.69,47.08 319.06,52.71 SW75.2 314.5,56.96 322.26,64.72 322.26,69.21 321.64,69.82 SW74.2 326.4,76.52 SW73.2
  Bottom w0.2: U1.16 40.13,13.24 40.03,13.14 40.03,3.9 41.19,2.74 91.06,2.74 91.92,3.6 91.92,4.17 93.41,5.66 98.24,5.66 98.59,5.31 114.19,5.31 114.45,5.57 122.64,5.57 122.99,5.22 136.44,5.22 138.66,7.44 144.15,7.44 147.36,4.23 173.45,4.23 182.26,13.04 197.49,13.04 203.49,7.04 246.16,7.04 247.04,6.15 v1(318.13,6.15)
C17: length 427
  Top w0.2: SW77.2 SW81.2 354.96,7.38 v1(353.33,5.74)
  Bottom w0.2: U1.17 39.73,13.74 39.63,13.64 39.63,3.73 41.02,2.34 91.23,2.34 92.33,3.44 92.33,4.01 93.58,5.26 98.08,5.26 98.43,4.91 114.36,4.91 114.62,5.17 122.48,5.17 122.83,4.82 136.61,4.82 138.83,7.04 143.98,7.04 147.19,3.83 173.62,3.83 182.43,12.64 197.33,12.64 203.32,6.64 245.99,6.64 247.09,5.54 353.13,5.54 v1(353.33,5.74)
C18: length 444.2
  Top w0.2: v1(372.13,5.34) 374.01,7.22 SW86.2 SW82.2
  Bottom w0.2: U1.18 39.49,14.24 39.41,14.15 ; 39.41,14.15 39.23,13.97 39.23,3.57 40.86,1.94 91.39,1.94 93.13,3.67 93.13,4.24 93.74,4.86 95.94,4.86 96.29,4.51 114.53,4.51 114.79,4.77 117.98,4.77 118.33,4.42 136.77,4.42 138.99,6.64 143.82,6.64 147.03,3.43 179.92,3.43 180.27,3.78 182.4,3.78 183.03,3.15 186.36,3.15 187.26,2.25 197.19,2.25 201.18,6.24 245.83,6.24 246.93,5.14 371.93,5.14 v1(372.13,5.34) ; 39.41,14.15 39.36,14.1
C19: length 464.7
  Top w0.2: v1(390.23,4.53) 393.06,7.37 SW91.2 SW90.2 SW89.2 SW88.2 SW87.2
  Bottom w0.2: U1.19 39.43,14.74 38.83,14.14 38.83,3.4 40.69,1.54 91.56,1.54 93.61,3.58 93.61,4.15 93.91,4.46 95.78,4.46 96.13,4.11 114.93,4.11 115.19,4.37 116.78,4.37 117.13,4.02 136.94,4.02 139.06,6.14 143.39,6.14 146.5,3.03 180.13,3.03 180.13,3.07 180.43,3.38 181.93,3.38 182.56,2.75 186.19,2.75 187.09,1.85 197.36,1.85 201.35,5.84 245.45,5.84 246.55,4.74 390.03,4.74 v1(390.23,4.53)
D_N: length 3.2
  Bottom w0.2: U1.32 50.74,19.74 50.48,20 R2.2
D_P: length 3.3
  Bottom w0.2: 51.58,21.78 51.58,20.09 51.24,19.75 U1.33
NRST: length 32.6
  Top w0.2: 52.43,11.58 56.43,15.59 56.48,15.59 v1(56.63,15.74) 52.48,11.58 51.88,11.58 49.73,13.74 v1(49.73,11.49)
  Bottom w0.2: v1(56.63,15.74) 61.53,15.74 SW2.2 SW2.2 ; U1.7 49.74,11.47 v1(49.73,11.49)
R1: length 451.2
  Top w0.2: v1(48.31,20.79) 47.76,21.34 39.39,21.34 37.13,23.6 37.13,77.82 v1(35.03,79.92)
  Bottom w0.2: D64.1 320.56,80.31 D68.1 349.06,79.88 D72.1 368.11,80.31 ; 91.94,79.92 D12.1 v1(35.03,79.92) 28.99,79.92 28.06,80.85 D6.1 6.58,80.85 ; 148.87,80.16 D29.1 111.45,80.16 ; D46.1 225.34,80.31 ; 368.17,80.26 387.15,80.26 ; U1.28 48.74,20.36 v1(48.31,20.79) ; 168.85,80.41 169.04,80.22 D41.1 206.47,80.22 ; D60.1 282.59,80.41 ; D20.1 111.12,80.03 ; 149.11,80.4 168.46,80.4 ; D55.1 263.39,80.12 ; D50.1 244.42,80.44
R2: length 461.9
  Top w0.2: v1(34.73,61.49) 36.73,59.49 36.73,23.43 39.23,20.94 47.07,20.94 v1(47.92,20.09)
  Bottom w0.2: 235.38,61.04 272.6,61.04 ; 196.62,60.96 196.23,61.35 D38.1 159.16,61.35 ; U1.27 48.24,19.77 v1(47.92,20.09) ; D26.1 102.14,61.15 ; D21.1 83.17,60.91 D16.1 69.63,61.3 69.49,61.44 D13.1 36.28,61.44 36.23,61.49 v1(34.73,61.49) D7.1 D2.1 ; D83.1 369.06,61.4 ; D34.1 140.29,61.06 ; D78.1 349.47,61.09 ; D30.1 121.08,61.4 ; 349.09,61.14 348.57,60.62 D69.1 311.8,60.62 309.08,63.35 309.08,76.14 305.87,79.34 D65.1 289.18,79.34 284.93,75.09 284.93,62.99 282.78,60.84 D61.1 ; D51.1 234.84,61.23 D47.1 197.13,61.23
R3: length 446.8
  Top w0.2: v1(32.63,41.67) 32.63,41.14 36.33,37.44 36.33,23.03 38.93,20.44 46,20.44 v1(46.48,19.95)
  Bottom w0.2: D84.1 368.69,41.88 ; 106.47,41.92 87.4,41.92 87.12,41.64 72.73,41.64 71.43,40.34 51.83,40.34 49.53,42.64 37.7,42.64 36.73,41.67 v1(32.63,41.67) D8.1 6.28,41.67 D3.1 ; U1.26 47.74,19.42 47.21,19.95 v1(46.48,19.95) ; 240.27,42.42 D57.1 264.73,42.42 264.79,42.49 D62.1 284.48,42.49 289.73,47.74 289.73,58.74 291.3,60.31 D66.1 293.66,60.31 294.73,59.24 294.73,48.14 296.63,46.24 301.08,46.24 305.53,41.78 D70.1 317.95,41.78 320.42,44.25 328.86,44.25 331.52,41.59 D74.1 ; D22.1 106.94,42.28 D27.1 126.12,41.71 D31.1 163.29,41.71 ; 220.98,42.08 201.84,42.08 ; D52.1 221.16,42.26 ; D79.1 349.46,41.72 ; D43.1 182.96,41.97 ; D39.1 163.52,41.94
R4: length 431.6
  Top w0.2: v1(46.13,19.24) 45.33,20.03 34.66,20.03 v1(32.03,22.67)
  Bottom w0.2: 6.74,22.67 D9.1 v1(32.03,22.67) 32.06,22.67 37.53,28.14 37.53,39.74 40.03,42.24 48.73,42.24 52.58,38.39 52.58,27.03 53.38,26.24 53.38,24.03 54.66,22.75 D11.1 58.84,22.75 62.23,26.14 73.83,26.14 77.33,22.64 96.38,22.64 ; D80.1 349.77,22.87 ; D67.1 268.54,22.85 D63.1 249.28,23.24 ; U1.25 46.71,18.65 v1(46.13,19.24) ; D85.1 368.66,23.16 ; D71.1 294.86,22.62 ; D23.1 115.51,22.34 D28.1 ; 115.73,22.72 115.35,22.34 ; D75.1 321.08,22.83 ; 115.9,22.74 D32.1 135.73,22.74 135.92,22.55 D36.1 161.08,22.55 161.09,22.53 D40.1 191.73,22.53 191.83,22.64 210.93,22.64 D49.1 230.22,22.74 D53.1 248.98,23.11 D58.1
R5: length 408.2
  Bottom w0.2: 33.73,3.7 37.96,3.7 40.53,1.14 91.73,1.14 94.3,3.71 D19.1 115.86,3.71 ; 33.73,3.7 D10.1 ; 33.73,3.7 38.43,8.4 38.43,14.84 38.83,15.24 U1.20 ; D59.1 D54.1 247.12,3.61 245.29,5.43 201.52,5.43 197.53,1.44 186.93,1.44 186.03,2.34 182.39,2.34 182.11,2.62 D45.1 146.34,2.62 143.23,5.74 139.23,5.74 137.11,3.62 D24.1 ; 368.31,3.9 D76.1 280.45,3.9 ; D86.1 368.65,3.84 ; 6.15,3.92 25.44,3.92
Net-(D1-A): length 3.3
  Bottom w0.2: D1.2 6.41,87.57
Net-(D2-A): length 3.7
  Bottom w0.2: D2.2 6.44,68.49
Net-(D3-A): length 4.6
  Bottom w0.2: D3.2 6.12,49.76
Net-(D4-A): length 4.1
  Bottom w0.2: D4.2 6.59,30.24
Net-(D5-A): length 4.4
  Bottom w0.2: D5.2 6.15,11.63
Net-(D6-A): length 3.4
  Bottom w0.2: D6.2 25.45,87.58
Net-(D7-A): length 3.7
  Bottom w0.2: D7.2 25.51,68.47
Net-(D8-A): length 5.6
  Bottom w0.2: SW10.1 25.8,49.13 D8.2
Net-(D9-A): length 4.6
  Bottom w0.2: D9.2 25.31,30.57
Net-(D10-A): length 4.2
  Bottom w0.2: D10.2 25.66,11.17
Net-(D11-A): length 4.8
  Bottom w0.2: D11.2 56.02,30.87
Net-(D12-A): length 4.4
  Bottom w0.2: D12.2 54,87.62
Net-(D13-A): length 3.6
  Bottom w0.2: D13.2 58.96,68.38
Net-(D14-A): length 20.3
  Bottom w0.2: D14.2 72.58,45.09 SW15.1 68.12,47.14 65.11,50.15 SW16.1
Net-(D15-A): length 4.2
  Bottom w0.2: D15.2 73.12,87.55
Net-(D16-A): length 3.8
  Bottom w0.2: D16.2 82.78,68.37
Net-(D17-A): length 4.2
  Bottom w0.2: D17.2 87.4,49.46
Net-(D18-A): length 5.6
  Bottom w0.2: D18.2 78.16,30.13 SW21.1
Net-(D19-A): length 4.2
  Bottom w0.2: 94.51,7 94.51,11.23
Net-(D20-A): length 4.3
  Bottom w0.2: D20.2 92.05,87.67
Net-(D21-A): length 4.1
  Bottom w0.2: D21.2 101.9,68.3
Net-(D22-A): length 4.2
  Bottom w0.2: D22.2 106.52,49.39
Net-(D23-A): length 4.9
  Bottom w0.2: D23.2 96.78,30.56
Net-(D24-A): length 4.3
  Bottom w0.2: D24.2 115.95,11.22
Net-(D25-A): length 3.9
  Bottom w0.2: D25.2 111.31,87.46
Net-(D26-A): length 4
  Bottom w0.2: D26.2 120.83,68.42
Net-(D27-A): length 3.8
  Bottom w0.2: D27.2 125.54,49.42
Net-(D28-A): length 4.5
  Bottom w0.2: D28.2 115.89,30.5
Net-(D29-A): length 4.3
  Bottom w0.2: D29.2 130.07,87.75
Net-(D30-A): length 3.7
  Bottom w0.2: D30.2 139.95,68.35
Net-(D31-A): length 5.7
  Bottom w0.2: 145.04,45 145.04,48.97 SW36.1
Net-(D32-A): length 4.4
  Bottom w0.2: D32.2 135.02,30.42
Net-(D33-A): length 4.1
  Bottom w0.2: D33.2 149.11,87.76
Net-(D34-A): length 4.1
  Bottom w0.2: D34.2 158.87,68.48
Net-(D35-A): length 4.5
  Bottom w0.2: D35.2 163.4,49.66
Net-(D36-A): length 4.9
  Bottom w0.2: D36.2 153.74,30.75
Net-(D37-A): length 3.7
  Bottom w0.2: D37.2 168.48,87.44
Net-(D38-A): length 4
  Bottom w0.2: D38.2 177.8,68.6
Net-(D39-A): length 5.3
  Bottom w0.2: SW44.1 182.93,49.18 D39.2
Net-(D40-A): length 5.5
  Bottom w0.2: D40.2 172.93,30.61 SW45.1
Net-(D41-A): length 3.9
  Bottom w0.2: D41.2 187.55,87.42
Net-(D42-A): length 4.3
  Bottom w0.2: D42.2 196.87,68.58
Net-(D43-A): length 4.2
  Bottom w0.2: D43.2 201.74,49.42
Net-(D44-A): length 5.3
  Bottom w0.2: D44.2 191.83,30.76 SW49.1
Net-(D45-A): length 13.6
  Bottom w0.2: D45.2 182.09,6.99 SW50.1
Net-(D46-A): length 3.9
  Bottom w0.2: D46.2 206.56,87.46
Net-(D47-A): length 4.1
  Bottom w0.2: D47.2 215.89,68.61
Net-(D48-A): length 3.9
  Bottom w0.2: D48.2 220.98,49.23
Net-(D49-A): length 5.3
  Bottom w0.2: D49.2 211.03,30.61 SW54.1
Net-(D50-A): length 3.9
  Bottom w0.2: D50.2 225.47,87.6
Net-(D51-A): length 4.2
  Bottom w0.2: D51.2 235.21,68.34
Net-(D52-A): length 5
  Bottom w0.2: D52.2 240.11,49.15 SW57.1
Net-(D53-A): length 5.1
  Bottom w0.2: D53.2 230.59,30.1 SW58.1
Net-(D54-A): length 4.7
  Bottom w0.2: D54.2 258.48,11.56
Net-(D55-A): length 4
  Bottom w0.2: D55.2 244.74,87.38
Net-(D56-A): length 4.5
  Bottom w0.2: D56.2 253.75,68.85
Net-(D57-A): length 3.7
  Bottom w0.2: D57.2 258.89,49.42
Net-(D58-A): length 3.9
  Bottom w0.2: D58.2 249.2,30.54
Net-(D59-A): length 4.4
  Bottom w0.2: D59.2 280.16,11.31
Net-(D60-A): length 3.8
  Bottom w0.2: D60.2 263.68,87.49
Net-(D61-A): length 4.5
  Bottom w0.2: D61.2 273.06,68.59
Net-(D62-A): length 4.7
  Bottom w0.2: SW67.1 277.93,49.43 277.93,45.78
Net-(D63-A): length 4.1
  Bottom w0.2: D63.2 268.15,30.64
Net-(D64-A): length 3.9
  Bottom w0.2: D64.2 282.69,87.53
Net-(D65-A): length 5.9
  Bottom w0.2: D65.2 301,83.31 301,88.27
Net-(D66-A): length 4.8
  Bottom w0.2: 292.28,63.61 292.28,68.42
Net-(D67-A): length 4.2
  Bottom w0.2: D67.2 294.64,30.34
Net-(D68-A): length 4.2
  Bottom w0.2: D68.2 320.99,87.33
Net-(D69-A): length 5.8
  Bottom w0.2: SW74.1 316.39,68.12 D69.2
Net-(D70-A): length 4.5
  Bottom w0.2: D70.2 308.75,49.57
Net-(D71-A): length 4.4
  Bottom w0.2: D71.2 320.88,30.29
Net-(D72-A): length 3.8
  Bottom w0.2: D72.2 349.49,87.39
Net-(D73-A): length 4
  Bottom w0.2: D73.2 349.42,68.41
Net-(D74-A): length 4.6
  Bottom w0.2: D74.2 349.33,49.45
Net-(D75-A): length 5.5
  Bottom w0.2: SW80.1 349.74,29.99 D75.2
Net-(D76-A): length 4.2
  Bottom w0.2: D76.2 349.3,11.38
Net-(D77-A): length 4.2
  Bottom w0.2: D77.2 368.17,87.76
Net-(D78-A): length 5.3
  Bottom w0.2: 368.75,64.39 368.75,68.13 SW83.1
Net-(D79-A): length 4.3
  Bottom w0.2: D79.2 368.53,49.3
Net-(D80-A): length 4.2
  Bottom w0.2: D80.2 368.37,30.41
Net-(D81-A): length 3.9
  Bottom w0.2: 368.51,7.28 368.51,11.22
Net-(D82-A): length 4.3
  Bottom w0.2: D82.2 387.28,87.7
Net-(D83-A): length 3.7
  Bottom w0.2: D83.2 387.54,68.39
Net-(D84-A): length 4.2
  Bottom w0.2: D84.2 387.47,49.41
Net-(D85-A): length 5.1
  Bottom w0.2: D85.2 387.73,30.1 SW90.1
Net-(D86-A): length 4.2
  Bottom w0.2: D86.2 387.44,11.34
Net-(J1-Pin_2): length 21.7
  Bottom w0.2: 50.48,22.74 50.81,23.06 50.81,26.75 50.68,26.88 50.68,27.88 47.1,31.46 47.1,36.04 45.73,37.41 43.02,37.41 42.55,36.94 42.55,36.24 42.93,35.86 42.93,35.74
Net-(J1-Pin_3): length 23.1
  Bottom w0.2: R3.1 51.26,23.06 51.26,26.94 51.13,27.07 51.13,28.07 47.55,31.64 47.55,36.23 45.92,37.86 42.83,37.86 42.1,37.13 42.1,36.24 41.73,35.86 41.73,35.74

## Copper pours and planes (outline as drawn; the poured copper is in the pictures)
GND on Top, Bottom: -3.77,123.24 406.73,122.24 408.73,-27.26 -9.77,-26.76
